# KiCad board corne-chocolate.kicad_pcb (continued)
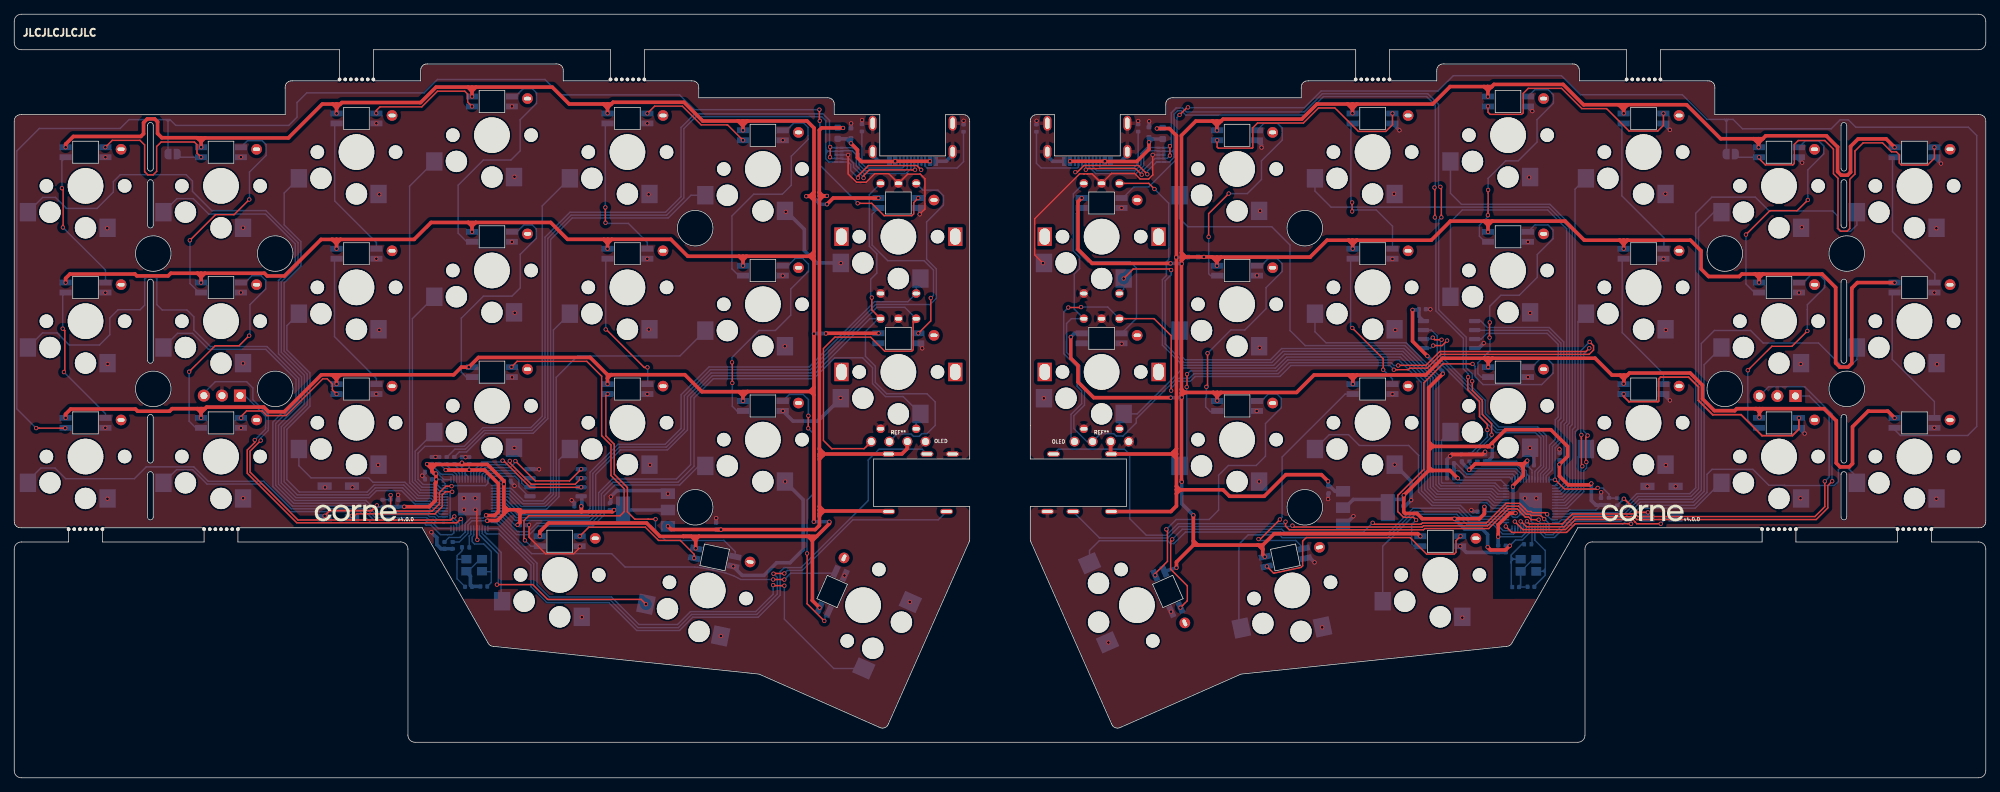
[diagram p0: board, top side]
## Routing (per net, layer and track width the routed paths; a pad name or vN(x,y) marks a point on that pad's centre or on a via; arc(x,y) is an arc through that point) (continued)
/right/D-: length 133.3
  Top w0.203: v1(199.71,83.09) 199.76,83.04 v1(199.76,78.88) ; v1(204.43,56.4) 204.39,56.36 204.39,54.62 206.03,52.98 206.03,50.85 207.14,49.74 207.14,48.97 v1(207.14,48.97) ; v1(159.33,84.96) 158.09,86.19 150.41,86.19 149.48,85.26 v1(149.21,85.26)
  Bottom w0.203: 163.1,87.35 163.1,87.84 163.1,87.97 ; 163.1,87.35 162.43,86.69 rU3.5 rU3.6 160.63,86.69 159.33,85.39 v1(159.33,84.96) ; 163.1,87.35 163.1,88.11 163.02,88.19 162.85,88.19 ; 163.1,87.97 162.88,88.19 162.85,88.19 ; 163.1,87.97 163.1,88.46 ; 162.85,88.19 rU3.2 rU3.9 160.78,88.29 159.39,88.29 158.82,87.72 158.82,86.14 157.74,85.07 152.07,85.07 151.15,85.99 rJ1.A7 ; 162.85,88.19 162.85,88.22 163.1,88.46 ; v1(199.71,83.09) 199.83,83.21 199.83,94.68 198.61,95.9 184.1,95.9 181.49,93.29 164.72,93.29 164.11,93.91 163.59,93.91 163.1,93.41 163.1,88.46 ; v1(199.76,78.88) 199.91,78.74 199.91,65.72 203.77,61.86 203.77,57.55 204.43,56.89 v1(204.43,56.4) ; rR5.2 204.74,45.56 207.14,47.97 v1(207.14,48.97) ; v1(149.21,85.26) 149.48,85.26 150.15,85.93 rJ1.B7
/right/KEY1: length 64.2
  Bottom w0.203: rSW1.1 151.21,32.01 152.57,33.37 162.19,33.37 162.58,32.97 163.07,32.97 164.69,34.59 178.07,34.59 178.47,34.2 192.94,34.2 196.7,37.95 199.2,37.95 199.2,37.95 203.15,37.95 204.71,36.39 209.06,36.39 209.11,36.34 rU1.30
/right/KEY2: length 76.6
  Top w0.203: v1(164.91,56.81) 164.91,55.06 v1(164.86,55.01)
  Bottom w0.203: rU1.34 207.83,37.94 207.04,38.74 199.53,38.74 197.88,40.38 197.88,55.64 194.7,58.83 179.06,58.83 177.51,57.28 165.38,57.28 v1(164.91,56.81) ; rSW2.1 164.86,44.92 v1(164.86,55.01)
/right/KEY3: length 67.8
  Bottom w0.203: rU1.38 208.46,39.54 207.69,40.31 200.23,40.31 199.51,41.03 199.51,56.33 195.42,60.42 178.22,60.42 176.65,58.85 164.64,58.85 163.85,59.64 rSW3.1
/right/KEY4: length 81.2
  Bottom w0.203: 163.85,82 163.85,78.75 165.03,77.57 176.82,77.57 179.39,75 179.39,62.97 181.52,60.84 195.56,60.84 199.91,56.5 199.91,41.26 200.46,40.7 207.85,40.7 208.61,39.94 rU1.39
/right/KEY5: length 78
  Bottom w0.203: rU1.3 217.33,40.34 218.33,41.34 218.33,49.59 218.68,49.95 218.68,77.43 215.78,80.33 185.16,80.33 182.9,82.6 rSW5.1
/right/KEY6: length 47.6
  Bottom w0.203: rSW6.1 182.9,62.79 184.46,61.23 195.73,61.23 200.3,56.66 200.3,41.43 200.63,41.1 203.22,41.1 203.22,41.1 208.08,41.1 208.83,40.34 rU1.40
/right/KEY7: length 35.5
  Bottom w0.203: rSW7.1 184.92,48.3 187.62,48.3 189.14,46.78 196.08,46.78 197.47,45.4 197.47,40.24 199.36,38.34 203.35,38.34 204.91,36.78 209.22,36.78 209.26,36.74 rU1.31
/right/KEY8: length 53.9
  Bottom w0.203: rU1.28 210.31,34.79 209.37,34.79 208.16,36 204.55,36 203.05,37.5 196.8,37.5 193.11,33.8 178.31,33.8 177.91,34.2 173.52,34.2 172.2,32.88 172.2,21.43 rSW8.1
/right/KEY9: length 30
  Bottom w0.203: rSW9.1 192.43,32.6 193.24,33.41 193.27,33.41 196.97,37.1 202.82,37.1 204.32,35.6 208,35.6 209.28,34.32 210.84,34.32 211.02,34.51 rU1.27
/right/KEY10: length 17
  Bottom w0.203: rU1.41 209.78,40.73 209,40.73 208.24,41.49 203.39,41.49 203.38,41.49 200.79,41.49 200.69,41.59 200.69,47.49 201.88,48.67
/right/KEY11: length 66.2
  Bottom w0.203: rSW11.1 201.95,78.26 203.62,79.93 215.62,79.93 218.29,77.26 218.29,50.11 217.94,49.76 217.94,41.5 217.18,40.74 rU1.2
/right/KEY12: length 62.7
  Bottom w0.203: rSW12.1 201.95,82.28 203.51,80.73 215.94,80.73 219.08,77.59 219.08,49.73 218.72,49.38 218.72,41.17 217.49,39.94 rU1.4
/right/KEY13: length 47.2
  Bottom w0.203: rU1.5 217.68,39.54 219.12,40.98 219.12,49.02 219.47,49.37 219.47,82.86 rSW13.1
/right/KEY14: length 28.7
  Bottom w0.203: rSW14.1 219.88,64.22 219.88,49.1 219.51,48.73 219.51,40.82 217.83,39.14 rU1.6
/right/KEY15: length 10.1
  Bottom w0.203: rSW15.1 219.91,45.19 219.91,40.66 217.99,38.74 rU1.7
/right/KEY16: length 34.5
  Top w0.203: v1(227.35,35.75) 227.33,35.77 219.5,35.77 218.27,34.55 210.57,34.55 v1(209.73,35.38)
  Bottom w0.203: rU1.29 209.78,35.44 v1(209.73,35.38) ; rSW16.1 239.93,41.52 236.37,37.96 228.99,37.96 227.35,36.31 v1(227.35,35.75)
/right/KEY17: length 47.1
  Bottom w0.203: rU1.17 215.02,34.58 215.38,34.23 216.37,34.23 218.1,35.95 219.14,35.95 219.31,36.13 225.94,36.13 228.63,38.81 236.11,38.81 237.62,40.32 237.62,58.14 rSW17.1
/right/KEY18: length 62.7
  Bottom w0.203: rSW18.1 239,79.62 236.83,77.46 236.83,40.67 235.77,39.61 228.31,39.61 225.61,36.91 218.99,36.91 218.81,36.74 rU1.12
/right/KEY19: length 88.8
  Bottom w0.203: rSW19.1 259.1,77.82 258.21,76.93 256.76,76.93 256.35,77.34 256.35,79.14 255.69,79.8 246.76,79.8 244.82,81.74 238.72,81.74 236.44,79.47 236.44,40.83 235.61,40 228.15,40 225.45,37.31 218.82,37.31 218.66,37.14 rU1.11
/right/KEY20: length 70
  Bottom w0.203: rSW20.1 259.1,58.88 258.06,57.84 257.08,57.84 253.71,61.21 245.92,61.21 244.16,62.97 239.06,62.97 237.23,61.14 237.23,40.49 235.96,39.21 228.47,39.21 225.78,36.52 219.15,36.52 218.98,36.35 217.58,36.35 217.18,35.94 rU1.14
/right/KEY21: length 55.3
  Bottom w0.203: rSW21.1 259.1,42.35 257.66,43.79 256.91,43.79 256.5,43.38 256.5,41.71 255.93,41.14 248.95,41.14 248.92,41.18 246.72,41.18 244.48,43.42 238.74,43.42 238.03,42.72 238.03,40.18 236.2,38.35 228.83,38.35 226.21,35.73 219.48,35.73 219.3,35.56 218.3,35.56 216.57,33.83 215.21,33.83 214.62,34.43 rU1.18
/right/KEYEX1: length 87.7
  Top w0.203: v1(162.68,71.47) 162.52,71.63 157.35,71.63 v1(156,70.28)
  Bottom w0.203: v1(162.68,71.47) 162.68,70.81 161.83,69.97 161.83,61.07 164.44,58.46 176.85,58.46 178.42,60.03 195.26,60.03 199.12,56.17 199.12,40.86 200.07,39.92 207.52,39.92 208.3,39.14 rU1.37 ; v1(156,70.28) 156,68.78 rEXSW1.S2
/right/KEYEX2: length 78.4
  Bottom w0.203: rU1.35 207.99,38.34 207.2,39.13 199.74,39.13 198.32,40.55 198.32,55.81 194.91,59.22 178.9,59.22 177.35,57.67 164.34,57.67 157.9,51.23 rEXSW2.S2 156,50.73 155.4,50.13
  Bottom w0.25: rEXSW2.S2 155.4,50.63 rEXSW2.S2
/right/LED: length 68.6
  Top w0.203: v1(191.01,35.89) 191.21,35.7 197.82,35.7 197.99,35.87 207,35.87 209.76,38.64 211.67,38.64 212.48,37.83 212.48,37.81 212.8,37.49 213.28,37.49 213.45,37.32 215.33,37.32 v1(215.55,37.1) ; v1(163.99,23.95) 164.95,24.92 164.95,27.02 162.61,29.36 162.61,33.35 v1(162.83,33.57)
  Bottom w0.203: v1(162.83,33.57) 164.25,34.99 178.23,34.99 178.63,34.59 189.71,34.59 v1(191.01,35.89) ; rU1.13 216.14,36.34 215.55,36.93 v1(215.55,37.1)
/right/QSPI_SCLK: length 32.2
  Top w0.203: v1(200.7,61.67) 199.76,61.67 v1(199.46,61.96)
  Bottom w0.203: v1(200.7,61.67) 200.64,61.72 200.56,61.72 200.56,58.88 206.47,52.97 206.47,51.08 208.56,48.99 214.07,48.99 215.05,48.02 215.05,43.79 214.23,42.97 214.23,41.98 rU1.52 ; v1(199.46,61.96) 199.26,61.76 rU4.6
/right/QSPI_SD0: length 33
  Top w0.203: v1(199.52,60.84) 200.77,60.84 v1(201.48,61.55)
  Bottom w0.203: v1(199.52,60.84) 199.16,60.49 rU4.5 ; rU1.53 214.62,42.81 215.44,43.63 215.44,48.18 214.24,49.38 208.75,49.38 206.87,51.27 206.87,53.13 201.12,58.88 201.12,61.19 v1(201.48,61.55)
/right/QSPI_SD1: length 33
  Bottom w0.203: rU1.55 215.42,42.5 216.28,43.35 216.28,46.62 217.09,47.43 217.09,50.23 217.49,50.63 217.49,61.19 215.68,62.99 205.39,62.99 rU4.2
/right/QSPI_SD2: length 32.6
  Bottom w0.203: rU4.3 206.29,61.76 207.08,62.56 215.56,62.56 217.09,61.02 217.09,50.79 216.69,50.39 216.69,47.64 215.88,46.83 215.88,43.52 215.02,42.65 rU1.54
/right/QSPI_SD3: length 32.1
  Bottom w0.203: rU4.7 199.27,63.03 200.09,62.2 200.09,61.11 200.11,61.09 200.11,60.6 200.09,60.58 200.09,58.79 206.08,52.8 206.08,50.9 208.39,48.6 213.91,48.6 214.66,47.85 214.66,43.96 213.82,43.12 rU1.51
/right/QSPI_SS: length 44.8
  Top w0.203: v1(216.64,41.96) 216.69,41.96 218,40.64 222.48,40.64 v1(222.65,40.81)
  Bottom w0.203: v1(222.65,40.81) 222.68,40.79 223.39,40.79 224.25,39.93 rR7.1 224.28,39.37 rR6.1 ; rU4.1 206.23,64.3 207.14,63.38 215.85,63.38 217.88,61.35 217.88,50.34 217.48,49.94 217.48,47.26 216.67,46.45 216.67,41.99 v1(216.64,41.96) 216.62,41.98 rU1.56
/right/RE0A: length 96.2
  Top w0.203: rEXSW1.A 159.53,83.68 v1(160.33,82.88)
  Bottom w0.203: rU1.36 208.15,38.74 207.36,39.52 199.9,39.52 198.73,40.7 198.73,56.01 195.1,59.63 178.65,59.63 177.08,58.07 164.28,58.07 161.44,60.91 161.44,70.13 162.01,70.7 162.01,72.66 162.33,72.98 162.33,80.88 v1(160.33,82.88)
/right/RE1A: length 134.9
  Top w0.203: v1(221.52,61.36) 222.07,60.81 222.07,60.23 221.46,59.61 200.61,59.61 198.67,57.67 196.23,57.67 196.01,57.45 v1(193.99,57.45) ; v1(162.68,54.5) 162.68,62.23 160.28,64.63 rEXSW2.A ; v1(150.01,66.26) 149.95,66.2 v1(148.21,66.2) ; v1(220.36,48.26) 220.36,47.81 220.37,47.8 220.37,43.98 v1(220.5,43.85)
  Bottom w0.203: rJ3.1 148.61,47.82 148.61,51.17 150.1,52.66 150.1,54.46 149.46,55.11 149.46,57.83 147.58,59.7 147.58,65.57 v1(148.21,66.2) ; v1(162.68,54.5) 162.68,54.88 163.63,55.83 165.39,55.83 166.06,56.49 177.97,56.49 179.52,58.04 193.44,58.04 193.99,57.49 v1(193.99,57.45) ; v1(220.36,48.26) 220.27,48.35 220.27,60.12 v1(221.52,61.36) ; rEXSW2.A 153.77,66.26 v1(150.01,66.26) ; rU1.8 218.14,38.34 220.3,40.5 220.3,43.66 v1(220.5,43.85)
/right/REB: length 145.8
  Top w0.203: v1(221.06,44.44) 220.99,44.51 220.99,47.93 v1(221.24,48.18) ; v1(221.48,60.47) 221.01,60 200.44,60 198.5,58.06 194.62,58.06 v1(194.6,58.04)
  Bottom w0.203: rU1.9 218.35,37.94 220.69,40.29 220.69,43.21 221.09,43.61 221.09,44.41 v1(221.06,44.44) ; v1(221.48,60.47) 220.67,59.66 220.67,48.84 221.24,48.26 v1(221.24,48.18) ; v1(194.6,58.04) 194,58.04 193.61,58.43 179.27,58.43 177.72,56.89 165.89,56.89 165.23,56.22 163.45,56.22 157.77,50.54 157.77,49.97 155.91,48.11 154.96,48.11 154.62,48.45 152.75,48.45 rJ3.2 150.83,47.33 149,49.16 149,50.97 150.49,52.47 150.49,54.67 149.85,55.31 149.85,57.99 147.97,59.87 147.97,63.96 148.65,64.63 rEXSW2.B 149.05,65.98 149.05,70.91 149.81,71.67 149.81,73.26 148.93,74.14 148.93,82.21 rEXSW1.B
/right/RX: length 84.3
  Top w0.203: v1(214.36,36.34) 213.3,36.34 213.3,36.36 212.95,36.7 212.47,36.7 211.69,37.48 211.69,37.5 211.35,37.85 210.09,37.85 207.32,35.08 198.33,35.08 198.16,34.91 179.29,34.91 178.76,35.44 v1(178.76,36.05)
  Bottom w0.203: v1(178.76,36.05) 178.48,35.77 163.64,35.77 162.02,34.16 159.17,34.16 156.86,36.47 156.86,45.51 156.11,46.27 146.82,46.27 rJ2.R2 ; rU1.16 215.42,35.62 215.21,35.83 214.65,35.83 214.36,36.13 v1(214.36,36.34)
/right/SWCLK: length 63.5
  Top w0.203: v1(254.59,41.73) 254.59,41.72 254.59,38.16 253.2,36.77 228.28,36.77 227.91,37.14 219.09,37.14 217.69,35.74 213.07,35.74 v1(212.71,36.11)
  Bottom w0.203: rU1.24 212.22,35.62 v1(212.71,36.11) ; rJ4.1 252.4,53.75 255.2,50.95 255.2,42.34 v1(254.59,41.73)
/right/SWD: length 71.8
  Top w0.203: v1(255.63,41.75) 255.02,41.13 255.02,37.99 253.38,36.36 231.28,36.36 231.28,36.35 228.14,36.35 227.75,36.75 219.35,36.75 217.93,35.33 212.65,35.33 211.89,36.09 v1(211.82,36.09)
  Bottom w0.203: v1(211.82,36.09) rU1.25 ; v1(255.63,41.75) 255.6,41.78 255.6,51.22 251.78,55.04 246.67,55.04 rJ4.3
/right/TX: length 72.2
  Top w0.203: v1(215.14,36.42) 214.64,36.93 213.28,36.93 213.12,37.1 212.63,37.1 212.09,37.64 212.09,37.67 211.51,38.24 209.93,38.24 207.16,35.48 198.16,35.48 197.98,35.3 179.93,35.3 v1(179.73,35.5)
  Bottom w0.203: v1(215.14,36.42) 215.18,36.42 215.82,35.78 rU1.15 ; v1(179.73,35.5) 179.61,35.38 163.8,35.38 162.19,33.76 152.6,33.76 rJ2.R1
Net-(C2-Pad1): length 7.6
  Bottom w0.203: R3.1 62.97,31.96 62.28,31.27 62.28,30.78 ; C2.1 62.28,28.01 62.28,30.78 ; 62.28,30.78 62.29,30.77 Y1.3
Net-(D1-K): length 521
  Top w0.203: 7.22,50.67 v1(7.23,50.66) ; 102.49,54.37 102.47,54.35 ; 83.42,55.42 v1(83.43,55.42) ; 64.38,97.22 64.39,97.22 ; 45.32,55.42 v1(45.33,55.42) ; 26.29,69.71 26.28,69.71 v1(26.28,69.71) ; 112.46,36.04 v1(112.43,36.04)
  Top w0.508: 45.33,75.79 44.71,75.79 ; 45.33,75.79 45.87,75.79 ; 45.33,75.79 45.33,75.27 ; 44.71,75.79 43.15,75.79 38.01,70.65 35.56,70.65 35.19,71.02 26.82,71.02 ; 44.71,75.79 45.23,75.27 45.33,75.27 ; 103.08,92.46 111.47,92.46 112.46,91.48 112.46,82.45 ; 103.08,92.46 102.48,92.46 ; 103.08,92.46 102.5,91.88 102.48,91.88 ; 83.42,56.25 83.42,55.42 ; 83.42,56.25 83.42,56.74 ; 83.42,56.25 83.91,56.74 83.98,56.74 ; 64.88,78.17 75.43,78.17 77.8,75.8 82.87,75.8 ; 64.88,78.17 64.38,77.67 ; 64.88,78.17 63.84,78.17 ; 83.43,94.85 82.84,94.85 ; 83.43,94.85 83.96,94.85 ; 83.43,94.85 83.43,94.37 ; 82.84,94.85 78.03,94.85 75.66,97.22 64.92,97.22 ; 82.84,94.85 83.32,94.37 83.43,94.37 ; 101.91,73.41 94.72,73.41 92.33,75.8 84.01,75.8 ; 101.91,73.41 102.48,73.41 ; 101.91,73.41 102.42,72.91 102.48,72.91 ; 111.84,73.45 112.46,74.06 ; 111.84,73.45 111.84,73.41 ; 111.84,73.45 112.46,72.83 112.46,72.78 ; 112.46,74.06 112.46,81.31 ; 112.46,74.06 112.46,72.78 ; 112.46,81.31 111.9,81.86 111.87,81.86 ; 112.46,81.31 112.46,81.86 ; 83.42,56.74 83.98,56.74 ; 83.42,56.74 80.99,59.17 65.28,59.17 v1(63.91,57.8) 62.87,57.8 61.8,56.73 45.89,56.73 ; 45.89,56.73 45.32,56.73 ; 45.89,56.73 45.32,56.16 45.32,56.15 ; 44.68,56.73 43.19,56.73 37.99,51.53 35.75,51.53 35.1,52.18 27.04,52.18 26.82,51.96 ; 44.68,56.73 45.32,56.73 ; 44.68,56.73 45.26,56.15 45.32,56.15 ; 103.11,54.37 111.95,54.37 ; 103.11,54.37 102.53,53.79 102.47,53.79 ; 103.11,54.37 102.49,54.37 ; 111.95,54.37 111.96,54.37 112.46,53.88 ; 111.95,54.37 111.95,54.47 112.46,54.97 ; 84.01,75.8 83.46,75.25 83.43,75.25 ; 84.01,75.8 83.43,75.8 ; v1(64.38,76.85) 64.38,77.67 ; v1(111.36,81.86) 111.85,81.86 ; 111.85,81.86 112.46,81.86 ; 111.85,81.86 111.87,81.86 ; 101.78,92.46 102.36,91.88 102.48,91.88 ; 101.78,92.46 96.81,92.46 94.18,95.09 84.2,95.09 83.96,94.85 ; 101.78,92.46 102.48,92.46 ; 111.82,33.99 111.82,33.8 112.23,33.39 ; 111.82,33.99 96.28,33.99 ; 111.82,33.99 112.83,33.99 ; 26.82,51.96 26.28,51.96 ; 26.82,51.96 26.28,51.42 26.28,51.42 ; 26.28,51.96 25.73,51.96 ; 26.28,51.96 26.28,51.42 ; 26.29,71.02 25.76,71.02 ; 26.29,71.02 26.82,71.02 ; 26.29,71.02 26.29,70.49 ; 25.76,71.02 22.01,71.02 21.65,70.66 17.24,70.66 16.98,70.92 7.83,70.92 7.23,70.31 v1(7.23,69.71) ; 25.76,71.02 26.29,70.5 ; 26.29,89.56 25.78,90.07 26.29,90.07 ; 26.29,89.56 v1(26.29,88.76) ; 26.29,89.56 26.29,89.57 26.79,90.07 ; 26.29,89.56 26.29,90.07 ; 112.46,54.97 112.46,53.88 ; 112.46,54.97 v1(112.46,62.52) 112.46,72.78 ; 102.48,91.88 v1(102.48,91.14) ; 102.48,91.88 102.48,92.46 ; 64.38,77.67 64.35,77.67 63.84,78.17 ; 102.47,53.79 102.45,53.79 101.89,54.35 ; 102.47,53.79 102.47,54.35 101.89,54.35 ; 102.47,53.79 102.47,53.03 ; 83.96,94.85 83.48,94.37 83.43,94.37 ; 63.78,97.22 64.92,97.22 ; 63.78,97.22 59.31,97.22 57.14,95.05 46.06,95.05 45.85,94.84 ; 63.78,97.22 64.31,96.69 64.38,96.69 ; 102.98,73.41 111.84,73.41 ; 102.98,73.41 102.48,72.91 ; 102.98,73.41 102.48,73.41 ; 111.84,73.41 112.43,73.41 112.46,73.43 ; 26.29,70.5 26.3,70.5 26.82,71.02 ; 26.29,70.5 26.29,70.49 ; 112.23,33.39 112.23,24.96 v1(113.24,23.95) ; 112.23,33.39 112.83,33.99 ; 82.87,75.8 83.43,75.25 ; 82.87,75.8 83.43,75.8 ; v1(121.53,81.62) 121.52,81.61 115.16,81.61 v1(114.28,80.73) ; 83.98,56.74 94.3,56.74 96.69,54.35 101.89,54.35 ; 83.43,75.8 83.43,75.23 ; 83.43,75.23 83.43,75.25 ; 83.43,75.23 v1(83.43,74.47) ; 26.79,90.07 38.55,90.07 43.32,94.84 44.8,94.84 ; 26.79,90.07 26.29,90.07 ; v1(95.82,32.29) 95.82,33.39 95.81,33.39 ; 102.48,72.91 102.48,72.88 ; 102.48,73.41 102.48,72.88 ; v1(102.48,72.09) 102.48,72.88 ; 45.87,75.79 45.35,75.27 45.33,75.27 ; 45.87,75.79 56.24,75.79 58.62,78.17 63.84,78.17 ; 64.92,97.22 64.39,96.69 64.38,96.69 ; 64.38,96.69 v1(64.38,95.9) ; 64.38,96.69 64.38,97.22 ; 26.29,69.71 26.29,70.49 ; 45.32,56.15 45.32,55.42 ; 45.32,56.15 45.32,56.73 ; 7.22,50.67 7.22,51.19 7.93,51.9 17.04,51.9 17.34,51.61 21.85,51.61 22.2,51.96 25.73,51.96 ; 83.43,94.37 v1(83.43,93.54) ; v1(45.33,93.52) 45.33,94.34 ; 45.33,94.34 45.3,94.34 44.8,94.84 ; 45.33,94.34 45.35,94.34 45.85,94.84 ; 45.33,94.34 45.33,94.84 ; 96.28,33.99 94.1,33.99 94.09,33.98 ; 96.28,33.99 95.81,33.53 95.81,33.39 ; v1(121.54,62.57) 114.16,62.57 v1(114.13,62.54) ; 25.73,51.96 26.27,51.42 26.28,51.42 ; 95.81,33.39 95.22,33.98 94.09,33.98 ; 112.46,53.88 112.46,36.04 ; 26.28,51.42 v1(26.28,50.66) ; 45.85,94.84 45.33,94.84 ; 45.33,94.84 44.8,94.84 ; v1(45.33,74.47) 45.33,75.27 ; 94.09,33.98 90.8,33.98 88.92,35.86 75.14,35.86 73.9,34.62 v1(73.9,34) ; v1(7.23,88.76) 7.23,89.2 8.31,90.28 17.81,90.28 18.19,90.66 18.19,92.23 18.72,92.76 19.74,92.76 20.16,92.34 20.16,90.7 20.76,90.1 25.75,90.1 25.98,89.87 ; v1(114.63,36.03) 114.63,35.79 112.83,33.99 ; 112.46,81.86 112.46,82.45 ; 111.87,81.86 112.46,82.45
  Bottom w0.203: 114.62,36.04 v1(114.63,36.03) ; 111.41,81.91 v1(111.36,81.86)
  Bottom w0.508: v1(112.46,62.52) 112.48,62.54 v1(114.13,62.54) ; v1(114.28,80.73) 113.33,80.73 D1.1 111.41,81.91 ; v1(112.43,36.04) 114.62,36.04 ; EXLED2.1 121.53,62.57 v1(121.54,62.57) ; LED8.1 95.83,32.29 v1(95.82,32.29)
  vias: v1(102.48,53.04)
Net-(EXLED1-DIN): length 197.3
  Top w0.203: v1(127.13,81.62) 126.48,80.97 126.48,79.39 126.22,79.13 122.31,79.13 120.57,80.87 v1(118.59,80.87) ; v1(113.27,92.48) 113.22,92.53 v1(113.22,94.06) ; v1(7.18,49.22) 3.08,49.22 v1(3.08,49.23)
  Bottom w0.203: 21.62,92.4 21.63,92.41 21.63,92.65 ; 21.62,92.4 21.59,92.4 ; 21.62,92.4 JP1.2 ; 21.59,92.4 21.34,92.65 ; 21.59,92.4 21.65,92.4 21.9,92.65 ; 21.34,92.65 16.14,92.65 14.9,91.41 3.53,91.41 0.37,88.25 0.37,51.94 v1(3.08,49.23) ; 21.34,92.65 21.63,92.65 ; 21.9,92.65 21.63,92.65 ; 21.9,92.65 22.72,91.84 38.61,91.84 39.77,93 39.77,95.06 41.13,96.42 57.63,96.42 59.52,98.31 74.63,98.31 76.8,96.14 93.56,96.14 95.64,94.06 v1(113.22,94.06) ; LED21.2 7.22,49.26 v1(7.18,49.22) ; v1(113.27,92.48) 113.28,92.47 113.28,86.25 118.59,80.94 118.66,80.94 v1(118.59,80.87)
Net-(EXLED1-DOUT): length 25.5
  Top w0.203: v1(128.88,67.55) 128.88,64.32 v1(127.13,62.57)
  Bottom w0.203: EXLED1.2 120.63,79.33 120.63,74.99 122.83,72.79 127.94,72.79 129.26,71.47 129.26,67.93 v1(128.88,67.55)
Net-(J1-CC1): length 11.5
  Bottom w0.203: J1.A5 125.08,86.02 124.91,85.85 119.8,85.85 119.2,86.46 R1.2
Net-(J1-CC2): length 10.8
  Bottom w0.203: J1.B5 128.08,86.11 128.35,85.83 132.58,85.83 133.49,86.74 R2.2
Net-(JP1-A): length 27.2
  Top w0.203: v1(26.28,87.36) 25.69,87.94 25.69,89.14 25.34,89.5 20.66,89.5 20.03,88.87 20.03,85.36 19.55,84.88 18.78,84.88 18.34,85.33 18.34,89.09 17.69,89.74 13.79,89.74 v1(12.82,88.76)
  Bottom w0.203: JP1.1 23.36,87.36 v1(26.28,87.36)
Net-(LED1-DOUT): length 38.6
  Top w0.203: v1(113.91,22.08) 113.9,22.08 111.49,24.49 111.49,31.58 v1(111.49,31.58) ; v1(111.67,50.96) 111.65,50.94 v1(111.65,49.19)
  Bottom w0.203: v1(113.91,22.08) 114.02,22.19 114.02,22.88 LED1.2 ; v1(111.67,50.96) 111.67,53.23 110.93,53.97 109,53.97 LED2.4 ; v1(111.49,31.58) 111.49,39.09 112.29,39.89 112.29,48.55 v1(111.65,49.19)
Net-(LED2-DOUT): length 32
  Top w0.203: v1(100.97,55.58) 100.97,58.44 v1(100.93,58.48)
  Bottom w0.203: v1(100.93,58.48) 100.93,59.17 104.73,62.97 107.03,62.97 109.19,65.13 109.19,68.81 111.68,71.3 111.68,72.32 110.85,73.15 109.86,73.15 108.8,72.09 LED3.4 ; v1(100.97,55.58) 100.97,52.3 101.63,51.64 LED2.2
Net-(LED3-DOUT): length 33.5
  Bottom w0.203: 101.9,70.69 LED3.2 101.87,70.69 100.92,71.64 100.92,79.09 103.98,82.15 108,82.15 109.27,83.42 109.27,87.51 111.62,89.86 111.62,91.55 110.98,92.19 109.64,92.19 108.59,91.14 LED4.4
Net-(LED4-DOUT): length 15.9
  Top w0.203: v1(89.03,93.52) 90.05,94.55 93.96,94.55 96.59,91.92 100.23,91.92 100.27,91.87 100.34,91.87 v1(102.48,89.74)
Net-(LED5-DOUT): length 22.1
  Top w0.203: v1(83.14,78.13) 83.12,78.15 v1(83.12,80.29)
  Bottom w0.203: v1(83.12,80.29) 83.12,91.82 LED5.2 ; v1(83.14,78.13) 83.23,78.04 86.36,78.04 89.03,75.38 LED6.4
Net-(LED6-DOUT): length 20.5
  Top w0.203: v1(89.04,57.77) 88.58,57.77 83.24,63.11 v1(83.17,63.11)
  Bottom w0.203: v1(83.17,63.11) 83.18,63.12 83.18,72.83 LED6.2 ; LED7.4 89.07,55.47 89.07,57.74
Net-(LED7-DOUT): length 37.1
  Top w0.203: v1(90.18,36.4) 89.15,36.4 89.15,36.41 87.25,36.41 86.22,37.44 86.22,40.87 84.37,42.72 84.37,46.95 83.19,48.13 83.19,53.78 v1(83.44,54.03)
  Bottom w0.203: v1(90.18,36.4) 90.18,34.8 91.57,33.41 99.8,33.41 101.38,31.84 LED8.4 ; v1(83.44,54.03) 83.43,54.02 LED7.2
Net-(LED8-DOUT): length 18.8
  Top w0.203: v1(95.61,30.92) 95.61,31.46 93.66,33.41 90.6,33.41 88.74,35.27 80.78,35.27 v1(79.51,34)
  Bottom w0.203: LED9.4 79.51,34 v1(79.51,34)
Net-(LED10-DIN): length 54.2
  Top w0.203: v1(69.92,57.83) 70.71,58.63 80.51,58.63 82.6,56.53 82.6,48.16 83.91,46.85 83.91,42.55 85.76,40.7 85.76,37.47 85.18,36.88 72.35,36.88 71.68,36.21 71.68,33.56 v1(71.82,33.42)
  Bottom w0.203: v1(69.92,57.83) 69.95,57.8 LED10.4 ; v1(71.82,33.42) 72.63,32.6 LED9.2
Net-(LED10-DOUT): length 32.8
  Bottom w0.203: 69.98,76.85 70.69,76.85 71.66,77.83 72.84,77.83 73.42,77.25 73.42,75.96 71.15,73.69 71.15,68.96 69.99,67.8 65.97,67.8 62.87,64.7 62.87,57.1 63.57,56.4 LED10.2
Net-(LED11-DOUT): length 33.2
  Bottom w0.203: LED11.2 63.63,75.45 62.42,76.66 62.42,83.41 65.97,86.96 69.85,86.96 71.14,88.25 71.14,92.64 73.44,94.94 73.44,96.41 72.85,97 71.56,97 70.47,95.9 LED12.4
Net-(LED12-DOUT): length 16.5
  Top w0.203: v1(50.91,93.54) 50.91,93.94 51.42,94.45 57.31,94.45 59.51,96.65 63.35,96.65 63.76,96.24 63.76,95.12 v1(64.38,94.5)
Net-(LED13-DOUT): length 20.2
  Bottom w0.203: LED13.2 45.06,91.86 45.06,81.2 50.93,75.34 LED14.4
Net-(LED14-DOUT): length 20.2
  Bottom w0.203: LED15.4 50.93,56.21 45.03,62.1 45.03,72.78 LED14.2
Net-(LED15-DOUT): length 17.7
  Top w0.203: v1(31.91,50.65) 31.91,50.88 32.66,51.64 34.87,51.64 35.52,50.99 38.21,50.99 43.39,56.16 44.01,56.16 44.73,55.44 44.73,54.62 v1(45.33,54.02)
Net-(LED16-DOUT): length 32.5
  Top w0.203: v1(33.04,62.24) 31.62,60.82 28.26,60.82 v1(24.6,57.16)
  Bottom w0.203: v1(33.04,62.24) 33.15,62.35 33.15,66.61 35.36,68.82 35.36,70.03 34.7,70.69 33.44,70.69 32.46,69.71 LED17.4 ; v1(24.6,57.16) 24.6,50.23 24.58,50.21 25.53,49.26 LED16.2
Net-(LED17-DOUT): length 31.8
  Top w0.203: v1(33.05,81.41) 30.92,79.28 28.31,79.28 v1(24.69,75.66)
  Bottom w0.203: LED18.4 32.81,89.7 34.85,89.7 35.42,89.13 35.42,87.62 33.08,85.28 33.08,81.44 v1(33.05,81.41) ; LED17.2 25.98,68.31 24.72,69.58 24.72,75.63 v1(24.69,75.66)
Net-(LED19-DOUT): length 20.4
  Top w0.203: v1(6.71,83) 6.88,82.83 6.88,77.69 6.85,77.66 v1(6.85,77.47)
  Bottom w0.203: v1(6.85,77.47) 12.83,71.49 LED20.4 ; v1(6.71,83) 6.71,86.84 LED19.2
Net-(LED20-DOUT): length 20.4
  Top w0.203: v1(6.82,63.23) 7.11,62.94 7.11,57.23 v1(6.99,57.11)
  Bottom w0.203: v1(6.82,63.23) 6.82,67.9 LED20.2 ; LED21.4 12.83,51.25 12.34,51.74 12.34,51.77 v1(6.99,57.11)
Net-(R6-Pad2): length 8.8
  Top w0.25: v1(51,38.35) 50.27,37.61 44.38,37.61 v1(43.65,36.88)
  Bottom w0.25: v1(51,38.35) 51.22,38.12 R6.2
Net-(rC2-Pad1): length 9.5
  Bottom w0.203: 210.81,30.77 210.81,30.78 ; 210.81,30.77 210.5,30.77 210.5,30.25 ; 210.81,30.77 211.81,30.77 ; 210.81,30.78 210.5,31.09 ; 210.81,30.78 210.79,30.78 210.5,30.48 ; rR3.1 212,32.87 210.5,31.36 210.5,31.09 ; 210.5,30.25 210.51,30.24 210.51,26.98 ; 210.5,30.25 210.5,30.48 ; 210.5,31.09 210.5,30.48
Net-(rD1-K): length 561.2
  Top w0.203: 188.18,56.5 188.15,56.47
  Top w0.508: v1(169.12,91.12) 169.12,91.84 ; 169.12,91.84 169.12,92.44 ; 169.12,91.84 169.1,91.84 ; 188.8,94.84 188.2,94.24 188.18,94.24 ; 188.8,94.84 188.2,94.84 ; 188.8,94.84 199.44,94.84 201.9,97.3 206.68,97.3 ; 207.2,78.36 207.84,78.36 ; 207.2,78.36 207.24,78.32 207.24,77.74 ; 207.2,78.36 206.66,78.36 ; 207.84,78.36 218.08,78.36 220.77,75.68 225.76,75.68 ; 207.84,78.36 207.81,78.36 207.24,77.79 ; 169.15,54.25 169.68,54.25 ; 169.15,54.25 169.16,54.24 169.16,53.69 ; 169.15,54.25 168.58,54.25 ; 169.68,54.25 169.13,53.7 169.13,53.69 ; 169.68,54.25 180.31,54.25 182.77,56.7 187.61,56.7 ; 225.78,56.68 224.67,56.68 222.29,59.06 207.83,59.06 ; 225.78,56.68 226.34,56.68 ; 225.78,56.68 226.33,56.13 ; v1(148.56,62.04) 148.56,59.06 149.58,58.04 149.58,55.72 151.79,53.51 v1(162.62,53.51) ; v1(226.31,74.47) 226.31,75.12 ; 226.31,75.12 226.31,75.14 226.84,75.68 ; 226.31,75.12 226.31,75.13 225.76,75.68 ; 226.31,75.12 226.31,75.68 ; 207.83,59.06 207.24,59.06 ; 207.83,59.06 207.33,58.56 207.27,58.56 ; 164.69,73.33 164.62,73.33 164.12,72.83 ; 164.69,73.33 164.69,73.32 ; 164.69,73.33 164.12,73.9 ; v1(175.85,31.12) 175.56,31.42 175.56,32.16 ; 245.88,89.97 246.29,90.38 254.81,90.38 256.39,88.8 256.39,85.33 256.89,84.83 257.79,84.83 258.21,85.25 258.21,88.88 259.27,89.94 263.22,89.94 v1(264.4,88.76) ; 245.88,89.97 245.32,89.4 245.29,89.4 ; 245.88,89.97 245.29,89.97 ; 245.42,51.51 245.87,51.96 ; 245.42,51.51 244.97,51.96 244.8,51.96 ; 245.42,51.51 245.4,51.51 ; 245.87,51.96 254.51,51.96 256.21,50.26 256.21,44.31 256.74,43.77 258.03,43.77 258.49,44.22 258.49,49.41 260.68,51.61 263.46,51.61 v1(264.4,50.66) ; 245.87,51.96 245.4,51.96 ; 225.76,75.68 226.31,75.68 ; 226.31,75.68 226.84,75.68 ; 244.79,70.92 245.35,70.92 ; 244.79,70.92 245.31,70.39 245.35,70.39 ; 244.79,70.92 242.92,70.92 242.57,70.57 238.25,70.57 237.19,71.63 237.19,74.19 235.7,75.68 226.84,75.68 ; 245.35,70.92 245.35,70.39 ; 245.35,70.92 245.89,70.92 ; 207.24,77.74 207.24,77.79 ; 207.24,77.74 v1(207.24,76.84) ; 207.24,77.79 206.66,78.36 ; v1(169.16,53.09) 169.16,53.69 ; 169.16,53.69 169.13,53.69 ; 245.35,70.39 245.37,70.39 245.89,70.92 ; 245.35,70.39 v1(245.35,69.72) ; 164.73,54.25 164.18,54.25 164.12,54.18 ; 164.73,54.25 164.58,54.25 ; 164.73,54.25 168.58,54.25 ; 187.49,94.84 188.09,94.24 188.18,94.24 ; 187.49,94.84 188.2,94.84 ; 187.49,94.84 183.17,94.84 181.05,92.72 169.98,92.72 169.7,92.44 ; 226.88,94.74 235.16,94.74 239.94,89.97 244.6,89.97 ; 226.88,94.74 226.3,94.74 ; 226.88,94.74 226.33,94.19 226.32,94.19 ; 225.6,94.74 226.15,94.19 226.32,94.19 ; 225.6,94.74 220.66,94.74 217.79,97.61 208.08,97.61 207.77,97.3 ; 225.6,94.74 226.3,94.74 ; 164.69,73.32 v1(167.28,73.32) 168.43,73.32 168.46,73.3 ; 164.69,73.32 164.17,73.32 164.12,73.27 ; 206.66,78.36 201.94,78.36 199.25,75.68 188.77,75.68 ; 244.8,51.96 245.4,51.96 ; 244.8,51.96 242.2,51.96 241.92,51.68 239.06,51.68 237.39,53.35 237.39,55.26 235.68,56.97 227.12,56.97 226.83,56.68 ; 245.4,51.96 245.4,51.95 245.4,51.51 ; v1(188.18,93.53) 188.18,94.24 ; 188.18,94.24 188.18,94.82 188.2,94.84 ; 168.5,92.44 169.12,92.44 ; 168.5,92.44 166.14,92.44 164.12,90.42 164.12,73.9 ; 168.5,92.44 169.1,91.84 ; 169.12,92.44 169.7,92.44 ; 188.23,56.12 188.23,56.13 188.8,56.7 ; 188.23,56.12 188.19,56.12 187.61,56.7 ; 188.23,56.12 188.23,56.67 188.2,56.7 ; 188.23,56.12 v1(188.23,55.41) ; 226.83,56.68 226.33,56.18 226.33,56.13 ; 226.83,56.68 226.34,56.68 ; 165.8,32.75 163.42,30.38 v1(163.42,29.57) ; 165.8,32.75 165.8,33.37 ; 165.8,32.75 166.44,32.75 ; v1(169.12,72.08) 169.12,72.68 ; 169.12,72.68 169.07,72.68 ; 169.12,72.68 169.12,73.28 169.14,73.3 ; 188.77,75.68 188.16,75.68 ; 188.77,75.68 188.77,75.67 188.21,75.1 ; 169.1,91.84 169.7,92.44 ; 169.7,73.3 169.09,72.68 169.07,72.68 ; 169.7,73.3 182.21,73.3 184.59,75.68 187.63,75.68 ; 169.7,73.3 169.14,73.3 ; 226.3,94.74 226.32,94.72 226.32,94.19 ; 169.13,53.69 168.58,54.25 ; v1(226.3,55.47) 226.34,55.51 226.34,56.13 ; 169.07,72.68 168.46,73.3 ; 164.58,54.25 164.57,54.25 164.12,54.69 ; 164.58,54.25 164.55,54.25 164.12,53.81 ; 175.56,32.16 175.56,32.75 ; 175.56,32.16 174.97,32.75 174.85,32.75 ; 174.85,32.75 175.56,32.75 ; 174.85,32.75 166.44,32.75 ; 175.56,32.75 177.17,34.36 197.35,34.36 v1(197.73,33.99) ; 245.89,70.92 254.22,70.92 256.12,69.02 256.12,58.41 256.7,57.82 257.87,57.82 258.39,58.34 258.39,68.93 259.17,69.71 v1(264.4,69.71) ; 226.32,94.19 v1(226.32,93.53) ; 187.61,56.7 188.2,56.7 ; 207.27,58.56 207.27,59.03 207.24,59.06 ; 207.27,58.56 207.2,58.56 206.7,59.06 ; 207.27,58.56 v1(207.27,57.8) ; 164.12,53.81 164.12,41.7 v1(164.17,41.65) ; 164.12,53.81 164.12,54.18 ; v1(245.4,50.72) 245.4,51.51 ; v1(162.6,72.41) 151.56,72.41 149.58,74.39 149.58,81.11 v1(150.09,81.62) ; 207.24,59.06 206.7,59.06 ; 188.16,75.68 188.21,75.63 188.21,75.07 ; 188.16,75.68 187.63,75.68 ; 169.14,73.3 168.46,73.3 ; 188.2,56.7 188.8,56.7 ; 207.22,96.77 206.68,97.3 ; 207.22,96.77 207.75,97.3 207.77,97.3 ; 207.22,96.77 207.22,96.68 ; 206.68,97.3 207.2,97.3 ; 245.29,89.4 245.29,89.97 ; 245.29,89.4 245.16,89.4 244.6,89.97 ; 245.29,89.4 v1(245.29,88.74) ; 245.29,89.97 244.6,89.97 ; 164.12,73.27 164.12,73.9 ; 164.12,73.27 164.12,72.83 ; 165.8,33.37 166.42,32.75 166.44,32.75 ; 165.8,33.37 v1(165.8,36.95) ; 188.21,75.1 187.63,75.68 ; 188.21,75.1 188.21,75.07 ; 226.34,56.13 226.33,56.13 ; 226.34,56.13 226.34,56.68 ; 188.8,56.7 198.47,56.7 200.83,59.06 206.7,59.06 ; 207.2,97.3 207.77,97.3 ; 207.2,97.3 207.22,97.28 207.22,96.68 ; 164.12,54.69 164.12,72.83 ; 164.12,54.69 164.12,54.18 ; 207.22,96.68 v1(207.22,95.89) ; v1(188.21,74.48) 188.21,75.07
  Bottom w0.508: v1(164.17,53.53) 164.15,53.51 v1(162.62,53.51) ; rEXLED1.1 150.1,81.62 v1(150.09,81.62) ; v1(164.17,72.36) 164.12,72.41 v1(162.6,72.41) ; v1(167.28,73.32) 167.27,73.31 rD1.1 ; v1(148.56,62.04) 149.09,62.57 rEXLED2.1 ; v1(165.8,36.95) 164.17,38.59 v1(164.17,41.65) ; v1(163.42,29.57) rLED1.1
Net-(rEXLED1-DIN): length 194.9
  Top w0.203: v1(163.86,93.31) 164.93,94.38 v1(165.04,94.38)
  Bottom w0.203: 240.76,92.37 240.76,87.85 rJP1.2 ; 240.76,92.37 240.76,92.41 240.49,92.68 ; 240.76,92.37 240.76,92.68 ; 240.76,92.37 240.76,92.44 241,92.68 ; rEXLED1.4 155.87,81.62 157.43,83.17 159.52,83.17 163.49,87.14 163.49,92.94 163.97,93.42 ; 240.49,92.68 238.03,92.68 234.56,96.16 220.24,96.16 217.56,98.84 202.36,98.84 200.2,96.69 183.77,96.69 181.42,94.34 165.08,94.34 v1(165.04,94.38) ; 240.49,92.68 240.76,92.68 ; 240.76,92.68 241,92.68 ; 241,92.68 241.69,92.68 243.02,91.36 255.49,91.36 256.75,92.62 257.91,92.62 258.94,91.59 274.79,91.59 275.96,90.42 275.96,49.45 274.69,48.19 265.22,48.19 264.4,49.01 rLED21.2
Net-(rEXLED1-DOUT): length 25.8
  Bottom w0.203: rEXLED1.2 149.32,79.44 149.32,74.31 150.2,73.43 150.2,73.42 150.97,72.65 156.89,72.65 157.8,71.74 157.8,64.67 rEXLED2.4
Net-(rJ1-CC1): length 11.5
  Bottom w0.203: rR1.2 143.74,86.5 144.38,85.85 149.52,85.85 149.65,85.98 rJ1.A5
Net-(rJ1-CC2): length 11.1
  Bottom w0.203: rR2.2 158.04,86.47 157.42,85.85 152.64,85.85 152.65,85.86 rJ1.B5
Net-(rJP1-A): length 58.2
  Top w0.203: v1(245.35,87.35) 245.35,87.16 246.24,86.28 250.09,86.28 250.3,86.49 250.3,89.16 250.85,89.71 254.59,89.71 255.81,88.49 255.81,85.04 256.45,84.4 256.45,77.34 256.84,76.95 257.73,76.95 258.1,77.31 258.1,84.25 258.83,84.98 258.83,88.22 259.98,89.38 262.71,89.38 263.97,88.12 264.65,88.12 265.06,87.71 265.06,86.55 265.35,86.26 269.05,86.26 270,87.21 v1(270,88.76)
  Bottom w0.203: rJP1.1 242.46,87.35 v1(245.35,87.35) rLED18.2
Net-(rLED1-DOUT): length 41.5
  Top w0.203: v1(160.44,28.51) 160.44,28.75 162.16,30.47 162.16,34.82 v1(162.01,34.98)
  Bottom w0.203: v1(162.01,34.98) 163.4,36.36 168.02,36.36 169.35,37.69 169.35,42.59 170.72,43.96 174.63,43.96 175.94,45.27 175.94,49.87 178.16,52.09 178.16,53.43 177.55,54.04 176.35,54.04 175.35,53.04 rLED2.4
Net-(rLED2-DOUT): length 31.8
  Top w0.203: v1(167.64,55.03) 167.8,55.19 v1(167.8,59.76)
  Bottom w0.203: rLED3.4 175.34,72.09 176.33,73.08 177.61,73.08 178.29,72.4 178.29,71.27 176.03,69 176.03,66.03 173.04,63.04 171.08,63.04 v1(167.8,59.76) ; v1(167.64,55.03) 167.64,53.58 167.53,53.47 167.53,52.2 168.18,51.55 169.06,51.55
Net-(rLED3-DOUT): length 31.4
  Top w0.203: v1(170.78,82.24) 167.95,79.42 v1(167.95,76.15)
  Bottom w0.203: 168.71,70.69 168.22,70.69 167.95,70.96 v1(167.95,76.15) ; rLED4.4 175.74,92.13 177.64,92.13 178.3,91.47 178.3,89.77 175.38,86.85 175.38,84.23 173.39,82.24 170.78,82.24 v1(170.78,82.24)
Net-(rLED4-DOUT): length 33
  Top w0.203: v1(169.14,89.74) 169.14,88.8 169.31,88.63 174.07,88.63 174.16,88.72 174.16,91.51 174.82,92.18 181.27,92.18 183.4,94.3 185.69,94.3 189,90.99 192.86,90.99 193.8,91.93 v1(193.8,93.52)
  Bottom w0.203: v1(169.14,89.74) 169.14,89.74 rLED4.2
Net-(rLED5-DOUT): length 22.5
  Top w0.203: v1(188.13,80.99) v1(188.13,79.72)
  Bottom w0.203: rLED5.2 187.95,91.87 187.95,81.17 v1(188.13,80.99) ; rLED6.4 193.8,77.65 191.51,79.94 188.34,79.94 v1(188.13,79.72)
Net-(rLED6-DOUT): length 20.2
  Top w0.203: v1(188.15,63.32) 192.49,58.98 v1(192.49,57.45)
  Bottom w0.203: rLED6.2 187.91,72.78 187.91,63.56 v1(188.15,63.32) ; v1(192.49,57.45) 193.8,56.14 rLED7.4
Net-(rLED7-DOUT): length 33.6
  Top w0.203: v1(174.96,33.61) 175.22,33.61 v1(177.97,36.36)
  Bottom w0.203: rLED8.4 180.2,33.41 175.16,33.41 v1(174.96,33.61) ; rLED7.2 187.15,54.02 178.28,45.16 178.28,36.67 v1(177.97,36.36)
Net-(rLED8-DOUT): length 34.5
  Top w0.203: v1(203.37,34.01) 202.73,33.38 202.73,31.75 202.48,31.49 198.6,31.49 196.28,33.82 181.67,33.82 181.17,33.31 181.17,29.84 180.95,29.62 177.2,28.82 177.07,28.82 v1(176.14,29.76)
  Bottom w0.203: rLED9.4 203.35,33.99 v1(203.37,34.01)
Net-(rLED10-DIN): length 54.7
  Top w0.203: v1(197.12,36.29) 196.74,36.66 195.35,36.66 194.55,37.46 194.55,39.76 198.21,43.42 198.21,55.6 200.88,58.26 v1(205.06,58.26)
  Bottom w0.203: 197.28,32.59 196.86,32.59 196.5,32.95 196.5,35.67 v1(197.12,36.29) ; v1(205.06,58.26) 205.42,57.91 205.42,56.48 206.54,55.35 214.78,55.35 216.38,56.95 216.38,58.18 215.62,58.94 214.53,58.94 213.4,57.8 rLED10.4
Net-(rLED10-DOUT): length 32.1
  Top w0.203: v1(207.48,64.1) 207.45,64.07 v1(207.45,61.97)
  Bottom w0.203: v1(207.48,64.1) 207.48,66.37 209.03,67.92 211.62,67.92 214.16,70.46 214.16,73.67 216.38,75.89 216.38,77.13 215.68,77.83 213.82,77.83 212.85,76.85 ; rLED10.2 206.29,56.4 205.81,56.88 205.81,58.43 207.5,60.12 207.5,62 207.49,62 v1(207.45,61.97)
Net-(rLED11-DOUT): length 31.1
  Top w0.203: v1(207.22,79.19) 207.25,79.22 v1(207.25,82.75)
  Bottom w0.203: rLED11.2 206.8,75.45 206.02,76.24 206.02,77.77 207.22,78.97 v1(207.22,79.19) ; rLED12.4 213.8,96.86 215.71,96.86 216.43,96.14 216.43,94.96 214.13,92.65 214.13,89.49 211.48,86.84 209.71,86.84 207.25,84.38 v1(207.25,82.75)
Net-(rLED12-DOUT): length 33.3
  Top w0.203: v1(207.23,94.52) 207.23,93.7 207.54,93.39 211.96,93.39 212.19,93.62 212.19,96.35 212.89,97.05 217.58,97.05 220.43,94.2 223.9,94.2 227.06,91.05 231.1,91.05 231.9,91.84 v1(231.9,93.52)
  Bottom w0.203: v1(207.23,94.52) rLED12.2
Net-(rLED13-DOUT): length 20.1
  Bottom w0.203: rLED13.2 226.06,91.88 226.06,81.92 231.96,76.02 231.96,74.53
Net-(rLED14-DOUT): length 20.1
  Bottom w0.203: rLED15.4 231.9,56.87 226.1,62.67 226.1,72.87 rLED14.2
Net-(rLED15-DOUT): length 35.1
  Top w0.25: v1(250.95,50.66) 250.95,49.09 250.03,48.16 245.76,48.16 242.81,51.11 238.83,51.11 236.82,53.12 236.82,55.02 235.44,56.4 231.49,56.4 231.23,56.14 231.23,53.03 231.15,52.95 227.04,52.95 226.31,53.68 v1(226.31,54.03)
  Bottom w0.25: v1(226.31,54.03) 226.3,54.03 rLED15.2
Net-(rLED16-DOUT): length 32.2
  Top w0.203: v1(243.76,57.36) 247.14,60.74 249.98,60.74 v1(252.14,62.9)
  Bottom w0.203: rLED17.4 251.55,69.71 252.56,70.72 253.88,70.72 254.57,70.03 254.57,69.03 252.14,66.6 252.14,65.92 252.14,65.91 v1(252.14,62.9) ; v1(243.76,57.36) 243.76,50.35 244.85,49.26 rLED16.2
Net-(rLED17-DOUT): length 33.2
  Top w0.203: v1(252.21,81.34) 250.7,79.83 246.87,79.83 v1(243.5,76.47)
  Bottom w0.203: v1(243.5,76.47) 243.5,69.52 244.71,68.31 rLED17.2 ; v1(252.21,81.34) 252.21,85.58 254.44,87.82 254.44,88.94 253.7,89.68 251.87,89.68 rLED18.4 251.44,88.76
Net-(rLED19-DOUT): length 20.2
  Bottom w0.203: rLED19.2 264.11,87.07 264.11,76.89 270.07,70.93 270.07,69.78
Net-(rLED20-DOUT): length 20.2
  Bottom w0.203: rLED21.4 270,52.96 264.07,58.89 264.07,67.98 rLED20.2
Net-(rR6-Pad2): length 6.3
  Top w0.25: v1(229.72,37.36) 228.3,37.36 226.38,39.28 v1(226.33,39.28)
  Bottom w0.25: rR6.2 226.09,39.04 226.09,39.04 v1(226.33,39.28) ; v1(229.72,37.36) 229.72,36.64 rSMDSW1.2
Net-(rU1-RUN): length 25.4
  Top w0.203: v1(211.01,36.07) 212.13,34.94 218.11,34.94 219.52,36.36 227.58,36.36 227.94,36 227.94,35.98 228.16,35.76 v1(231.53,35.76)
  Bottom w0.203: rU1.26 211.42,35.65 v1(211.01,36.07) ; rSMDSW2.2 232.34,36.57 v1(231.53,35.76)
Net-(rU1-USB_DM): length 9
  Bottom w0.203: 211.82,42 211.82,42.86 211.15,43.54 205.23,43.54 204.64,44.13 rR5.1
Net-(rU1-USB_DP): length 8.2
  Bottom w0.203: rR4.2 205.74,44.51 206.3,43.95 211.3,43.95 212.22,43.02 212.22,42
Net-(rU1-XIN): length 11.7
  Bottom w0.203: 213.76,26.99 215.28,28.51 215.28,28.8 ; 214.96,29.06 215.02,29.06 215.28,28.8 ; 214.96,29.06 214.96,29.08 215.29,29.4 ; 214.96,29.06 215.22,29.06 215.25,29.03 215.29,29.03 215.29,29.19 ; 214.96,29.06 rY1.1 ; 215.29,29.4 215.29,31.99 213.82,33.45 rU1.20 ; 215.29,29.4 215.29,29.19 ; 215.28,28.8 215.28,29.18 215.29,29.19
Net-(rU1-XOUT): length 2.1
  Bottom w0.203: rU1.21 213.42,32.96
Net-(U1-RUN): length 22.2
  Top w0.203: v1(47.46,36.88) 47.86,36.88 48.14,37.15 59.15,37.15 60.18,38.18 60.18,39.82 60.62,40.27 v1(61.58,40.27)
  Bottom w0.203: U1.26 62.21,35.63 61.3,36.54 61.3,36.93 61.29,36.94 61.3,36.95 61.3,39.98 v1(61.58,40.27)
Net-(U1-USB_DM): length 3.1
  Bottom w0.203: U1.46 62.61,42.84 61.92,43.52 61.3,43.52 60.82,44
Net-(U1-USB_DP): length 2.6
  Bottom w0.203: 61.9,44.1 62.09,43.91 62.09,43.91 63.01,42.99 U1.47
Net-(U1-XIN): length 11.6
  Bottom w0.203: 67.08,29.01 67.08,31.86 66.03,32.91 64.72,32.91 64.39,33.24 64.39,33.89 64.6,34.1 64.6,34.3 64.61,34.3 U1.20 ; 67.08,29.01 65.84,29.01 ; 67.08,29.01 67.08,27.49 C1.1
Net-(U1-XOUT): length 2.8
  Bottom w0.203: R3.2 63.99,34.04 64.21,34.26 U1.21

## Copper pours and planes (outline as drawn; the poured copper is in the pictures)
GND on Top: 136.45,101.96 -3.98,101.78 -3.79,5.26 136.26,5.45
GND on Bottom: 58.98,34.83 58.94,25.24 68.04,25.19 68.06,34.8
GNDR on Top: 140.78,101.96 281.21,101.78 281.02,5.26 140.97,5.45
GNDR on Bottom: 219.8,34.8 219.83,25.2 207.93,25.18 207.92,34.8

Small or netless copper shapes (teardrops, artwork), in the pictures only: 290 on Top, 533 on Bottom

## Text on the board
B.Fab: Edge of body
B.Silkscreen: Jumper for LED | BOOT | RESET | SWD | GND | SWCLK
F.Silkscreen: v4.0.0 | JLCJLCJLCJLC
